# Allegro board Coral-Dev-Board-Mini-layout-Allegro.brd (continued)
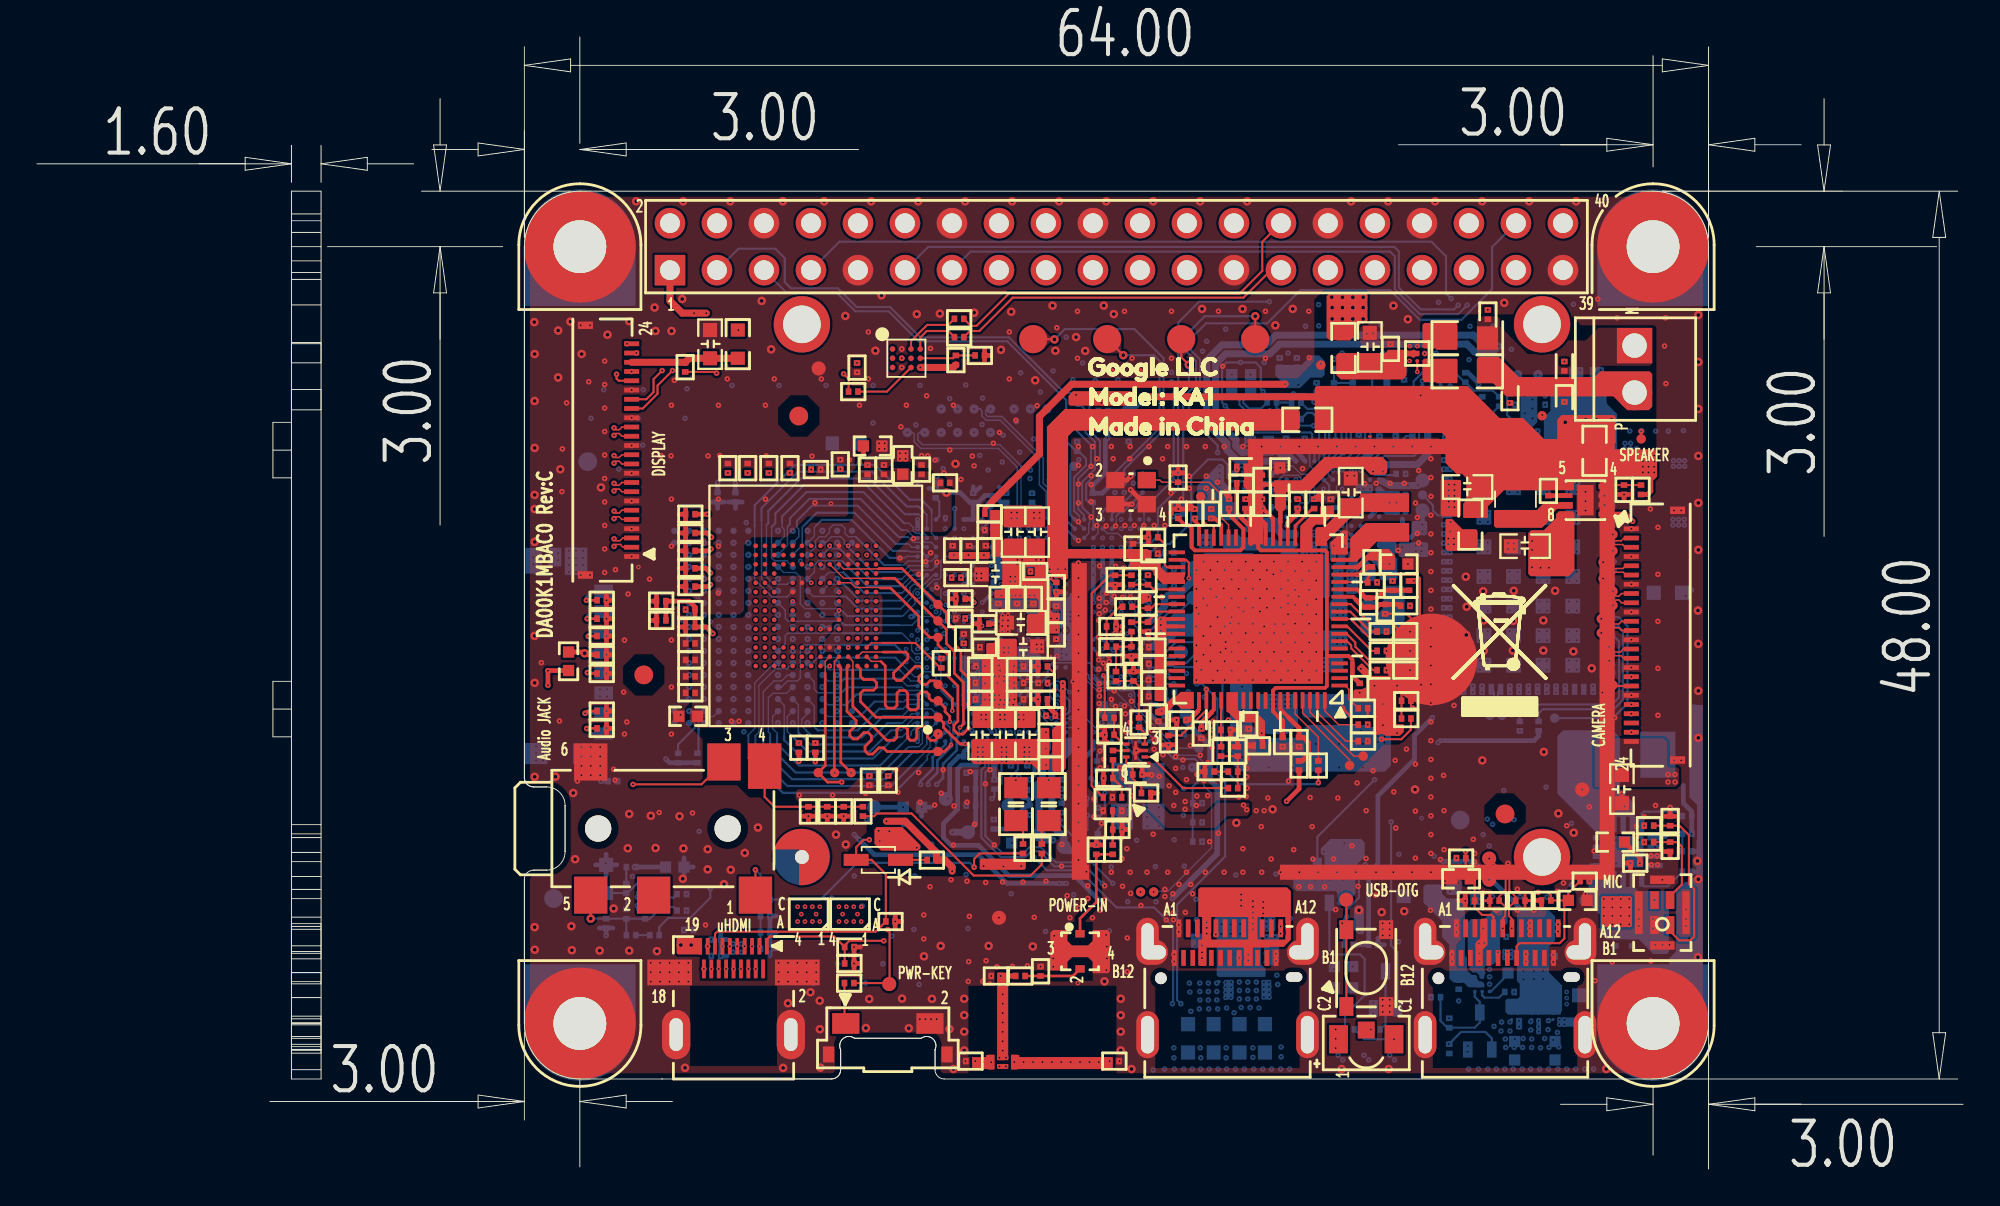
[diagram p0: board, top side]
## Routing (per net, layer and track width the routed paths; a pad name or vN(x,y) marks a point on that pad's centre or on a via; arc(x,y) is an arc through that point) (continued)
v2(65.32,27.96) v2(65.32,26.94) v2(65.4,33.9) v2(65.53,41.24) v2(65.68,36.22) v2(65.76,34.95) v2(65.71,32.38) v2(65.71,29.48) v2(65.71,28.47) v2(65.71,27.45) v2(65.71,26.44) v2(65.71,6.55) v2(65.71,6.04) v2(65.76,5.4) v2(65.99,37.94) v2(65.89,19.37) v2(66.09,31.87) v2(66.09,30.14) v2(66.09,28.98) v2(66.09,27.96) v2(66.09,26.94) v2(66.16,18.51) v2(66.24,5.4) v2(66.32,29.33) v2(66.32,19.37) v2(66.39,46.38) v2(66.39,43.84) v2(66.47,32.38) v2(66.47,28.47) v2(66.47,27.45) v2(66.47,26.44) v2(66.49,42.51) v2(66.52,20.06) v2(66.7,16.76) v2(66.73,5.4) v2(66.82,37.13) v2(66.87,33.27) v2(66.82,32.15) v2(66.85,28.98) v2(66.85,27.96) v2(66.85,26.94) v2(66.91,29.46) v2(66.96,11.64) v2(66.96,11.26) v2(67.18,35.15) v2(67.13,33.93) v2(67.23,28.47) v2(67.23,27.45) v2(67.23,26.44) v2(67.21,13.11) v2(67.21,12.73) v2(67.24,6.6) v2(67.24,6.06) v2(67.21,5.4) v2(67.36,29.46) v2(67.51,37.94) v2(67.69,34.92) v2(67.61,31.01) v2(67.61,30.58) v2(67.61,29.99) v2(67.61,28.98) v2(67.61,27.96) v2(67.61,26.94) v2(67.64,20.98) v2(67.74,41.27) v2(67.69,5.4) v2(67.84,43.58) v2(67.92,17.27) v2(68.02,33.19) v2(67.99,30.5) v2(67.99,29.48) v2(67.99,28.47) v2(67.99,27.45) v2(67.99,26.44) v2(68.19,30.96) v2(68.19,15.26) v2(68.37,29.99) v2(68.37,28.98) v2(68.37,27.96) v2(68.37,26.94) v2(68.45,42.51) v2(68.4,37.87) v2(68.65,36.22) v2(68.6,34.03) v2(68.65,30.5) v2(68.73,46.37) v2(68.76,43.86) v2(68.75,37.13) v2(68.75,29.48) v2(68.75,28.47) v2(68.75,27.45) v2(68.75,26.44) v2(68.8,20.09) v2(68.83,15.26) v2(68.91,18.51) v2(68.96,16.76) v2(69.13,29.99) v2(69.13,28.98) v2(69.13,27.96) v2(69.13,26.94) v2(69.41,34.11) v2(69.54,31.67) v2(69.54,29.61) v2(69.64,37.94) v2(69.67,35.17) v2(69.64,32.99) v2(69.64,30.65) v2(69.59,15.26) v2(69.97,41.27) v2(70.07,16.76) v2(70.38,28.77) v2(70.3,20.06) v2(70.4,29.92) v2(70.53,32.1) v2(70.56,30.65) v2(70.73,32.79) v2(70.89,37.13) v2(70.94,42.51) v2(71.07,17.47) v2(71.12,28.04) v2(71.24,36.19) v2(71.19,35.12) v2(71.24,29.08) v2(71.34,27.4) v2(71.34,20.87) v2(71.45,33.83) v2(71.4,31.24) v2(71.47,29.74) v2(71.4,15.29) v2(71.62,37.94) v2(71.73,31.85) v2(71.78,27.38) v2(71.83,19.37) v2(71.83,16.78) v2(72.03,28.27) v2(72.11,35.17) v2(72.26,30.37) v2(72.28,28.95) v2(72.28,26.13) v2(72.21,21.53) v2(72.49,41.27) v2(72.44,32.71) v2(72.77,26.28) v2(72.74,25.14) v2(72.74,24) v2(72.87,36.8) v2(72.84,33.4) v2(72.92,27.5) v2(73.02,43.61) v2(73.1,30.5) v2(73.38,26.97) v2(73.33,20.39) v2(73.4,33.88) v2(73.4,29.05) v2(73.4,28.01) v2(73.4,22.09) v2(73.43,18.43) v2(73.5,26.13) v2(73.66,30.14) v2(73.94,42.54) v2(74.01,22.7) v2(74.24,29.51) v2(74.21,28.54) v2(74.21,27.5) v2(74.5,36.01) v2(74.49,21.89) v2(74.49,19.35) v2(74.49,16.81) v2(74.67,37.76) v2(74.6,35.22) v2(74.6,34.36) v2(74.67,33.85) v2(74.8,26.18) v2(75.03,41.24) v2(75.18,46.78) v2(75.76,36.83) v2(75.87,32.71) v2(75.84,31.06) v2(75.87,29.21) v2(75.84,27.3) v2(75.85,16.73) v2(76.02,21.28) v2(76.04,19.38) v2(76.04,17.27) v2(76.09,15.57) v2(76.3,37) v2(76.3,36.7) v2(76.3,36.39) v2(76.3,36.09) v2(76.3,35.78) v2(76.53,40.81) v2(76.58,25.06) v2(76.6,37) v2(76.6,36.7) v2(76.6,36.39) v2(76.6,36.09) v2(76.6,35.78) v2(77.26,45.21) v2(77.26,36.85) v2(77.24,33.24) v2(77.37,5.4) v2(77.62,17.82) v2(77.77,40.81) v2(77.9,5.4) v2(78.41,33.24) v2(78.41,5.4) v2(78.56,36.85) v2(78.58,13.86) v2(78.58,11.31) v2(78.66,43.43) v2(78.69,12.12) v2(78.87,5.4) v2(79.07,25.4) v2(79.15,33.14) v2(79.19,40.81) v2(79.22,13.96) v2(79.33,5.4) v2(79.43,15.62) v2(79.62,12.56) v2(79.78,11.29) v2(79.78,5.4) v2(79.88,36.85) v2(79.91,33.09) v2(79.9,13.55) v2(80.27,5.4) v2(80.36,35.78) v2(80.34,34.79) v2(80.56,40.81) v2(80.72,5.4) v2(80.95,26.03) v2(81.02,42.08) v2(81.21,5.4) v2(81.58,29) v2(81.66,26.67) v2(81.69,5.4) v2(81.94,40.64) v2(81.99,27.4) v2(82.2,5.4) v2(82.5,15.46) v2(82.68,5.4) v2(82.77,28.57) v2(83.1,29.64) v2(83.16,5.4) v2(83.44,15.18) v2(83.64,39.52) v2(83.64,30.45) v2(83.64,5.4) v2(83.92,43.45) v2(83.89,19.58) v2(83.99,28.62) v2(84.15,17.19) v2(84.13,5.4) v2(84.25,31.24) v2(84.2,15.99) v2(84.35,47.04) v2(84.5,33.27) v2(84.6,25.75) v2(84.93,34.64) v2(85.05,28.95) v2(85.14,32.94) v2(85.26,24.4) v2(85.37,37.51) v2(85.39,46.02) v2(85.73,16.94) v2(85.8,19.6) v2(85.95,32.35) v2(86.05,33.9) v2(86.1,36.11) v2(86.16,34.61) v2(86.44,18.54) v2(86.41,18.03) v2(86.86,19.05) v2(86.82,18.13) v2(87.19,35.69) v2(87.23,16.94) v2(87.25,16.45) v2(87.47,19.65) v2(87.52,20.34) v2(87.56,16.94) v2(87.58,16.45) v2(87.6,34.69) v2(87.6,32.15) v2(87.6,29.61) v2(87.6,27.07) v2(87.6,24.53) v2(87.96,44.5) v2(88.01,46.02) v2(88.03,42.46) v3(27.26,27.38) v3(28.37,36.62) v3(28.39,38.93) v3(28.62,41.42) v3(29.82,42.57) v3(31.16,21.61) v3(31.21,33.22) v3(31.26,32.41) v3(32.45,14.71) v3(32.44,14.24) v3(32.53,34.03) v3(32.98,38.58) v3(32.93,37.13) v3(32.91,35.67) v3(33.63,19.27) v3(33.73,38.57) v3(34.44,42.64) v3(35.43,19.25) v3(36.27,38.55) v3(37.31,42.72) v3(39.85,42.72) v3(42.39,42.72) v3(42.69,10.05) v3(44.78,20.32) v3(44.93,45.26) v3(44.93,42.72) v3(45.21,12.19) v3(45.52,10.08) v3(45.74,23.06) v3(46.53,20.37) v3(46.49,11.43) v3(46.92,13.91) v3(47.23,12.32) v3(47.51,13.25) v3(47.65,21.43) v3(47.89,42.77) v3(47.93,13.74) v3(47.93,12.44) v3(48.13,38.56) v3(48.1,14.47) v3(48.29,44.37) v3(48.53,38.33) v3(48.76,34.87) v3(48.76,23.01) v3(48.87,20.32) v3(48.85,15.87) v3(49.02,37.64) v3(49.4,15.64) v3(49.55,46.43) v3(49.99,42.74) v3(49.94,33.4) v3(49.96,16.38) v3(50.17,5.83) v3(50.35,11.21) v3(50.33,10.14) v3(50.44,21.48) v3(50.39,13.66) v3(50.55,38.55) v3(50.64,38.02) v3(50.64,33.4) v3(51.16,16.38) v3(51.11,10.14) v3(51.23,35.89) v3(51.23,34.87) v3(51.27,15.49) v3(51.35,45.16) v3(51.29,11.26) v3(51.41,42.11) v3(51.46,33.42) v3(51.51,36.25) v3(51.57,10.44) v3(51.68,39.24) v3(51.66,23.52) v3(51.87,10.93) v3(52.07,40.46) v3(52.09,34.18) v3(52.28,36.25) v3(52.22,16.35) v3(52.55,45.26) v3(52.55,42.72) v3(52.5,39.9) v3(52.57,34.18) v3(52.57,33.4) v3(52.62,35.89) v3(52.71,10.96) v3(52.83,34.87) v3(52.9,40.48) v3(53.02,36.25) v3(53.06,22.3) v3(53.19,16.38) v3(53.29,15.51) v3(53.44,40.81) v3(53.53,10.98) v3(53.64,33.4) v3(53.77,36.25) v3(53.97,16.91) v3(53.89,13.61) v3(54.05,41.27) v3(54.17,35.89) v3(54.1,23.16) v3(54.2,34.87) v3(54.24,10.94) v3(54.66,37.64) v3(54.61,33.4) v3(54.76,24.84) v3(54.83,33.09) v3(54.99,17.93) v3(54.97,12.61) v3(54.92,12.02) v3(54.92,11.39) v3(54.92,10.93) v3(55.11,45.49) v3(55.16,32.94) v3(55.15,24.12) v3(55.24,36.9) v3(55.27,34.87) v3(55.29,34.21) v3(55.37,16.38) v3(55.39,17.55) v3(55.55,37.94) v3(55.57,35.89) v3(55.55,32.94) v3(55.67,14.78) v3(55.83,33.4) v3(55.83,13.58) v3(55.9,34.87) v3(55.93,34.21) v3(55.9,32.94) v3(55.98,24.91) v3(56.08,41.27) v3(56,26.36) v3(56,18.94) v3(56.23,46.38) v3(56.23,43.84) v3(56.31,14.12) v3(56.43,35.91) v3(56.46,32.46) v3(56.66,32.18) v3(56.79,15.31) v3(56.79,14.63) v3(56.97,37.99) v3(56.97,37.49) v3(56.97,37) v3(56.97,36.09) v3(56.89,32.46) v3(57.07,35.53) v3(57.04,13.58) v3(57.12,20.01) v3(57.12,19.05) v3(57.32,42.51) v3(57.38,29.66) v3(57.38,28.75) v3(57.41,30.86) v3(57.41,30.42) v3(57.41,30.02) v3(57.45,23.03) v3(57.45,13.99) v3(57.55,35.53) v3(57.58,35) v3(57.63,27.35) v3(57.78,33.29) v3(57.78,20.72) v3(57.7,15.31) v3(57.7,14.55) v3(57.78,12.66) v3(57.81,32.48) v3(57.84,28.77) v3(57.82,12.02) v3(57.82,11.39) v3(57.79,10.75) v3(58.03,35) v3(58.03,33.93) v3(58.31,41.3) v3(58.45,26.41) v3(58.5,5.83) v3(58.59,24.96) v3(58.77,46.38) v3(58.72,32.48) v3(58.88,25.98) v3(58.82,24.56) v3(58.9,34.95) v3(58.93,28.77) v3(58.9,17.32) v3(59.18,43.84) v3(59.15,23.16) v3(59.1,14.9) v3(59.25,33.93) v3(59.23,33.27) v3(59.31,28.77) v3(59.36,19.43) v3(59.56,31.41) v3(59.61,32.46) v3(60.04,32.13) v3(60.07,26.44) v3(60.17,25.04) v3(60.22,34.95) v3(60.24,21.31) v3(60.37,42.51) v3(60.32,18.11) v3(60.42,32.46) v3(60.66,26.41) v3(60.65,21.23) v3(60.75,24.35) v3(60.75,23.87) v3(60.88,33.27) v3(60.83,30.32) v3(60.94,5.4) v3(61.08,32.46) v3(61.04,28.77) v3(61.18,20.72) v3(61.29,37.94) v3(61.29,37.56) v3(61.29,36.55) v3(61.29,35.99) v3(61.29,35.48) v3(61.19,26.11) v3(61.31,46.38) v3(61.31,43.84) v3(61.31,43.2) v3(61.39,34.95) v3(61.39,31.67) v3(61.34,30.83) v3(61.39,29.18) v3(61.39,14.88) v3(61.46,33.93) v3(61.44,19.65) v3(61.44,6.55) v3(61.44,6.01) v3(61.47,5.4) v3(61.49,41.3) v3(61.5,28.8) v3(61.54,20.37) v3(61.84,36.22) v3(61.82,32.46) v3(61.87,30.04) v3(61.98,5.4) v3(62.05,33.27) v3(62.05,29.23) v3(62.05,23.41) v3(62.05,19.45) v3(62.06,13.87) v3(62.28,37.46) v3(62.28,36.8) v3(62.21,21.81) v3(62.33,22.9) v3(62.45,14.88) v3(62.43,5.4) v3(62.66,32.38) v3(62.66,31.36) v3(62.66,30.35) v3(62.66,27.45) v3(62.66,26.44) v3(62.68,20.16) v3(62.66,19.65) v3(62.69,21.33) v3(62.79,30.02) v3(62.87,6.55) v3(62.92,26.99) v3(62.89,6.01) v3(62.89,5.4) v3(63.04,31.87) v3(63.04,30.86) v3(63.19,37.46) v3(63.19,36.8) v3(63.25,30.47) v3(63.37,41.24) v3(63.37,33.93) v3(63.37,17.7) v3(63.35,5.4) v3(63.45,42.51) v3(63.42,32.38) v3(63.42,31.36) v3(63.42,27.45) v3(63.57,36.14) v3(63.55,26.41) v3(63.75,36.55) v3(63.73,30.93) v3(63.85,46.38) v3(63.8,37.13) v3(63.8,31.87) v3(63.8,26.94) v3(63.85,18.16) v3(63.85,15.54) v3(63.83,5.4) v3(63.95,28.98) v3(64.08,43.4) v3(64.03,38.04) v3(64.05,34.95) v3(64.18,32.38) v3(64.14,31.39) v3(64.18,27.45) v3(64.18,26.44) v3(64.11,20.14) v3(64.23,36.6) v3(64.24,28.49) v3(64.24,28.14) v3(64.26,6.55) v3(64.26,6.01) v3(64.29,5.4) v3(64.49,29.51) v3(64.56,31.87) v3(64.56,28.98) v3(64.56,27.96) v3(64.56,26.94) v3(64.69,33.27) v3(64.77,5.4) v3(64.94,32.38) v3(64.94,29.48) v3(64.94,28.47) v3(64.94,27.45) v3(64.94,26.44) v3(64.95,20.11) v3(65.17,17.32) v3(65.2,30.14) v3(65.25,5.4) v3(65.32,31.87) v3(65.32,28.98) v3(65.32,27.96) v3(65.32,26.94) v3(65.4,33.9) v3(65.53,41.24) v3(65.68,36.22) v3(65.76,34.95) v3(65.71,32.38) v3(65.71,29.48) v3(65.71,28.47) v3(65.71,27.45) v3(65.71,26.44) v3(65.71,6.55) v3(65.71,6.04) v3(65.76,5.4) v3(65.99,37.94) v3(65.89,19.37) v3(66.09,31.87) v3(66.09,30.14) v3(66.09,28.98) v3(66.09,27.96) v3(66.09,26.94) v3(66.16,18.51) v3(66.24,5.4) v3(66.32,29.33) v3(66.32,19.37) v3(66.39,46.38) v3(66.39,43.84) v3(66.47,32.38) v3(66.47,28.47) v3(66.47,27.45) v3(66.47,26.44) v3(66.49,42.51) v3(66.52,20.06) v3(66.7,16.76) v3(66.73,5.4) v3(66.82,37.13) v3(66.87,33.27) v3(66.82,32.15) v3(66.85,28.98) v3(66.85,27.96) v3(66.85,26.94) v3(66.91,29.46) v3(66.96,11.64) v3(66.96,11.26) v3(67.13,33.93) v3(67.23,28.47) v3(67.23,27.45) v3(67.23,26.44) v3(67.21,13.11) v3(67.21,12.73) v3(67.24,6.6) v3(67.24,6.06) v3(67.21,5.4) v3(67.36,29.46) v3(67.48,31.67) v3(67.51,37.94) v3(67.69,34.92) v3(67.61,31.01) v3(67.61,30.58) v3(67.61,29.99) v3(67.61,28.98) v3(67.61,27.96) v3(67.61,26.94) v3(67.64,20.98) v3(67.74,41.27) v3(67.69,5.4) v3(67.84,43.58) v3(67.92,17.27) v3(68.02,33.19) v3(68.07,32.25) v3(67.99,30.5) v3(67.99,29.48) v3(67.99,28.47) v3(67.99,27.45) v3(67.99,26.44) v3(68.19,30.96) v3(68.37,29.99) v3(68.37,28.98) v3(68.37,27.96) v3(68.37,26.94) v3(68.45,42.51) v3(68.4,37.87) v3(68.65,36.22) v3(68.6,34.03) v3(68.65,30.5) v3(68.73,46.37) v3(68.76,43.86) v3(68.75,37.13) v3(68.75,29.48) v3(68.75,28.47) v3(68.75,27.45) v3(68.75,26.44) v3(68.8,20.09) v3(68.91,18.51) v3(68.96,16.76) v3(69.13,29.99) v3(69.13,28.98) v3(69.13,27.96) v3(69.13,26.94) v3(69.54,31.67) v3(69.54,29.61) v3(69.64,37.94) v3(69.67,35.17) v3(69.64,32.99) v3(69.64,30.65) v3(69.97,41.27) v3(70.07,16.76) v3(70.38,28.77) v3(70.3,20.06) v3(70.4,29.92) v3(70.53,32.1) v3(70.56,30.65) v3(70.89,37.13) v3(70.94,42.51) v3(71.07,17.47) v3(71.12,28.04) v3(71.24,36.19) v3(71.19,35.12) v3(71.24,29.08) v3(71.34,20.87) v3(71.45,33.83) v3(71.4,31.24) v3(71.47,29.74) v3(71.62,37.94) v3(71.78,27.38) v3(71.83,19.37) v3(71.83,16.78) v3(72.03,28.27) v3(72.11,35.17) v3(72.26,30.37) v3(72.28,28.95) v3(72.21,21.53) v3(72.49,41.27) v3(72.44,32.71) v3(72.77,26.28) v3(72.87,36.8) v3(72.84,33.4) v3(72.92,27.5) v3(73.02,43.61) v3(73.38,26.97) v3(73.33,20.39) v3(73.4,33.88) v3(73.4,29.05) v3(73.4,28.01) v3(73.4,22.09) v3(73.43,18.43) v3(73.66,30.14) v3(73.94,42.54) v3(74.01,22.7) v3(74.24,29.51) v3(74.21,28.54) v3(74.21,27.5) v3(74.49,21.89) v3(74.49,19.35) v3(74.49,16.81) v3(75.03,41.24) v3(75.87,32.71) v3(75.84,31.06) v3(75.87,29.21) v3(75.84,27.3) v3(75.85,16.73) v3(76.3,37) v3(76.3,36.7) v3(76.3,36.39) v3(76.3,36.09) v3(76.3,35.78) v3(76.53,40.81) v3(76.6,37) v3(76.6,36.7) v3(76.6,36.39) v3(76.6,36.09) v3(76.6,35.78) v3(77.24,33.24) v3(77.37,5.4) v3(77.62,17.82) v3(77.77,40.81) v3(77.9,5.4) v3(78.41,33.24) v3(78.41,5.4) v3(78.87,5.4) v3(79.15,33.14) v3(79.19,40.81) v3(79.33,5.4) v3(79.78,5.4) v3(79.91,33.09) v3(80.27,5.4) v3(80.56,40.81) v3(80.72,5.4) v3(81.02,42.08) v3(81.21,5.4) v3(81.69,5.4) v3(81.94,40.64) v3(82.2,5.4) v3(82.5,15.46) v3(82.68,5.4) v3(82.77,28.57) v3(83.1,29.64) v3(83.16,5.4) v3(83.44,15.18) v3(83.64,39.52) v3(83.64,30.45) v3(83.64,5.4) v3(83.89,19.58) v3(83.99,28.62) v3(84.15,17.19) v3(84.13,5.4) v3(84.25,31.24) v3(84.2,15.99) v3(84.35,47.04) v3(84.5,33.27) v3(84.6,25.75) v3(84.93,34.64) v3(85.05,28.95) v3(85.14,32.94) v3(85.26,24.4) v3(85.37,37.51) v3(85.39,46.02) v3(85.73,16.94) v3(85.8,19.6) v3(85.95,32.35) v3(86.05,33.9) v3(86.1,36.11) v3(86.16,34.61) v3(86.44,18.54) v3(86.41,18.03) v3(86.86,19.05) v3(86.82,18.13) v3(87.19,35.69) v3(87.23,16.94) v3(87.25,16.45) v3(87.47,19.65) v3(87.56,16.94) v3(87.58,16.45) v3(87.6,34.69) v3(87.6,32.15) v3(87.6,29.61) v3(87.6,27.07) v3(87.6,24.53) v3(87.96,44.5) v3(88.01,46.02) v3(88.03,42.46) v4(27.26,27.38) v4(31.83,28.33) v4(32.45,14.71) v4(32.44,14.24) v4(33.02,28.24) v4(48.29,44.37) v4(48.43,35.76) v4(48.81,36.04) v4(49.16,27.19) v4(49.68,34.74) v4(50.16,34.49) v4(50.17,5.83) v4(50.35,37.56) v4(50.34,35.99) v4(50.35,11.21) v4(50.33,10.14) v4(50.75,35.71) v4(51.11,10.14) v4(51.29,11.26) v4(51.51,36.25) v4(51.87,10.93) v4(52.28,36.25) v4(52.71,10.96) v4(53.02,36.25) v4(53.27,34.38) v4(53.27,33.87) v4(53.53,10.98) v4(53.77,36.25) v4(53.77,34.38) v4(54.28,34.38) v4(54.28,33.87) v4(54.24,10.94) v4(54.79,34.38) v4(54.97,12.61) v4(54.92,12.02) v4(54.92,11.39) v4(54.92,10.93) v4(56.97,37.99) v4(56.97,37.49) v4(56.97,37) v4(56.97,36.09) v4(57.78,12.66) v4(57.82,12.02) v4(57.82,11.39) v4(57.79,10.75) v4(58.09,34.64) v4(58.5,5.83) v4(59.54,23.08) v4(60.09,23.95) v4(60.45,23.19) v4(60.94,5.4) v4(61.11,23.52) v4(61.29,37.56) v4(61.29,35.99) v4(61.29,35.48) v4(61.44,6.55) v4(61.44,6.01) v4(61.47,5.4) v4(61.98,5.4) v4(62.28,34.59) v4(62.43,24.66) v4(62.43,5.4) v4(62.66,23.72) v4(62.73,35.76) v4(62.76,33.7) v4(62.87,6.55) v4(62.89,6.01) v4(62.89,5.4) v4(63.01,24.66) v4(63.35,5.4) v4(63.45,23.74) v4(63.5,24.66) v4(63.85,35.76) v4(63.83,5.4) v4(63.93,34.46) v4(63.93,33.65) v4(64.03,23.74) v4(64.26,6.55) v4(64.26,6.01) v4(64.29,5.4) v4(64.49,35) v4(64.61,23.74) v4(64.77,5.4) v4(64.94,34.49) v4(64.94,28.11) v4(64.89,27.76) v4(64.92,27.07) v4(64.94,26.74) v4(64.92,25.98) v4(64.92,25.37) v4(64.92,24.79) v4(65.15,23.74) v4(65.25,5.4) v4(65.4,35.48) v4(65.55,33.42) v4(65.5,30.91) v4(65.53,29.99) v4(65.71,24.05) v4(65.71,6.55) v4(65.71,6.04) v4(65.76,5.4) v4(65.81,28.85) v4(65.81,28.14) v4(65.81,27.1) v4(65.81,26.08) v4(65.81,25.4) v4(65.81,24.61) v4(66.26,34.72) v4(66.24,5.4) v4(66.52,33.78) v4(66.52,32.89) v4(66.52,31.72) v4(66.52,31.01) v4(66.52,30.4) v4(66.6,29.56) v4(66.59,29.18) v4(66.59,28.14) v4(66.59,27.15) v4(66.59,26) v4(66.59,25.4) v4(66.59,24.89) v4(66.59,24.33) v4(66.59,23.77) v4(66.73,5.4) v4(67.24,6.6) v4(67.24,6.06) v4(67.21,5.4) v4(67.69,5.4) v4(69.31,34.18) v4(69.31,33.73) v4(69.74,34.69) v4(70.68,34.01) v4(70.99,33.27) v4(76.6,23.44) v4(77.14,37.69) v4(77.14,37.16) v4(77.14,36.62) v4(77.21,22.47) v4(77.37,5.4) v4(77.9,5.4) v4(78.41,5.4) v4(78.69,22.47) v4(78.87,5.4) v4(79.33,5.4) v4(79.47,23.03) v4(79.78,5.4) v4(80.27,5.4) v4(80.72,5.4) v4(81.21,5.4) v4(81.69,5.4) v4(82.2,5.4) v4(82.68,5.4) v4(83.16,5.4) v4(83.64,5.4) v4(83.71,20.98) v4(84.12,21.99) v4(84.13,5.4) v4(84.86,22.83) v4(85.05,28.95) v4(85.16,21) v4(85.57,27.78) v4(85.64,21.99) v5(27.26,27.38) v5(28.73,28.85) v5(29.21,27.2) v5(29.67,35.35) v5(29.69,39.54) v5(29.77,38.35) v5(29.72,36.82) v5(29.71,21.74) v5(29.94,31.34) v5(29.94,20.06) v5(30.37,41.68) v5(30.68,33.78) v5(30.74,32.18) v5(31.17,40.02) v5(31.54,36.75) v5(31.65,34.59) v5(31.64,33.07) v5(31.83,28.33) v5(32.08,41.62) v5(32.08,38.96) v5(32.45,14.71) v5(32.44,14.24) v5(32.79,47.21) v5(33.07,39.85) v5(33.02,28.24) v5(33.93,40.1) v5(34.44,41.68) v5(35.23,43.56) v5(35.79,41.6) v5(36.22,40.2) v5(37.51,41.55) v5(37.52,40.02) v5(38.81,40.2) v5(39.7,39.31) v5(39.7,18.44) v5(41.12,41.6) v5(41.5,38.88) v5(42.29,40.13) v5(42.64,18.44) v5(42.72,38.83) v5(43.53,41.5) v5(44.17,38.88) v5(44.22,14.65) v5(45.39,40.2) v5(45.46,10.21) v5(45.57,38.83) v5(46.28,41.6) v5(46.35,16.33) v5(47.75,38.88) v5(48.05,41.5) v5(48.29,44.37) v5(48.36,17.55) v5(48.43,35.76) v5(48.81,36.04) v5(48.97,15.06) v5(48.89,10.23) v5(49.16,27.19) v5(49.68,34.74) v5(50.16,34.49) v5(50.35,37.56) v5(50.34,35.99) v5(50.35,11.21) v5(50.33,10.14) v5(50.75,35.71) v5(51.11,10.14) v5(51.29,11.26) v5(51.51,36.25) v5(51.87,10.93) v5(52.28,36.25) v5(52.71,10.96) v5(53.02,36.25) v5(53.27,34.38) v5(53.27,33.87) v5(53.53,10.98) v5(53.77,36.25) v5(53.77,34.38) v5(54.28,34.38) v5(54.28,33.87) v5(54.24,10.94) v5(54.79,34.38) v5(54.97,12.61) v5(54.92,12.02) v5(54.92,11.39) v5(54.92,10.93) v5(56.97,37.99) v5(56.97,37.49) v5(56.97,37) v5(56.97,36.09) v5(57.78,12.66) v5(57.82,12.02) v5(57.82,11.39) v5(57.79,10.75) v5(58.09,34.64) v5(58.64,10.28) v5(59.54,23.08) v5(60.09,23.95) v5(60.45,23.19) v5(60.94,5.4) v5(61.11,23.52) v5(61.29,37.56) v5(61.29,35.99) v5(61.29,35.48) v5(61.44,6.55) v5(61.44,6.01) v5(61.47,5.4) v5(61.98,5.4) v5(62.28,34.59) v5(62.43,5.4) v5(62.66,23.72) v5(62.73,35.76) v5(62.76,33.7) v5(62.87,6.55) v5(62.89,6.01) v5(62.89,5.4) v5(63.35,5.4) v5(63.45,23.74) v5(63.85,35.76) v5(63.83,5.4) v5(63.93,34.46) v5(63.93,33.65) v5(64.03,23.74) v5(64.26,6.55) v5(64.26,6.01) v5(64.29,5.4) v5(64.49,35) v5(64.61,23.74) v5(64.77,5.4) v5(64.94,34.49) v5(65.25,5.4) v5(65.4,35.48) v5(65.55,33.42) v5(65.53,29.99) v5(65.71,6.55) v5(65.71,6.04) v5(65.76,5.4) v5(66.26,34.72) v5(66.24,5.4) v5(66.52,33.78) v5(66.52,32.89) v5(66.73,5.4) v5(67.24,6.6) v5(67.24,6.06) v5(67.21,5.4) v5(67.69,5.4) v5(69.31,34.18) v5(69.31,33.73) v5(69.67,8.35) v5(69.74,34.69) v5(70.68,34.01) v5(70.99,33.27) v5(74.06,8.38) v5(76.45,24.56) v5(76.42,22.42) v5(76.6,23.44) v5(76.6,19.1) v5(77.14,37.69) v5(77.14,37.16) v5(77.14,36.62) v5(77.21,22.47) v5(77.37,5.4) v5(77.9,5.4) v5(78.41,5.4) v5(78.69,22.47) v5(78.87,5.4) v5(79.33,5.4) v5(79.47,25.71) v5(79.47,23.03) v5(79.6,22.42) v5(79.78,5.4) v5(80.27,5.4) v5(80.72,5.4) v5(80.89,23.77) v5(81.21,5.4) v5(81.69,5.4) v5(82.2,5.4) v5(82.68,5.4) v5(83.16,5.4) v5(83.23,21) v5(83.64,5.4) v5(83.71,20.98) v5(84.12,21.99) v5(84.13,5.4) v5(84.86,22.83) v5(85.16,21) v5(85.54,22.83) v5(85.64,21.99) v5(85.62,21.03) v5(87.14,11.81) v5(89.02,13.69) v6(28.32,25.29) v6(28.3,23.21) v6(29.41,21.13) v6(29.67,35.35) v6(29.69,39.54) v6(29.77,38.35) v6(29.72,36.82) v6(30.2,29.86) v6(30.23,28.29) v6(30.68,33.78) v6(30.74,32.18) v6(31.17,40.02) v6(31.17,26.74) v6(31.44,19.27) v6(31.52,31.13) v6(31.65,34.59) v6(31.65,29.89) v6(31.83,28.33) v6(32.08,41.62) v6(32.26,25.62) v6(32.46,34.18) v6(32.45,14.71) v6(32.44,14.24) v6(32.74,19.26) v6(32.87,29.92) v6(32.84,26.87) v6(32.92,31.69) v6(33.07,39.85) v6(33.02,28.24) v6(33.12,36.14) v6(33.2,37.69) v6(33.43,24.48) v6(33.53,25.8) v6(34.22,19.22) v6(34.44,24.63) v6(34.55,34.77) v6(34.55,33.24) v6(34.55,31.72) v6(34.55,29.81) v6(34.55,27.6) v6(34.55,25.65) v6(34.7,23.64) v6(35.13,37.1) v6(35.56,35.71) v6(35.79,41.6) v6(35.84,23.67) v6(36.44,19.27) v6(36.53,38.48) v6(37.29,35.73) v6(37.52,40.02) v6(38.51,38.5) v6(39.04,43.05) v6(39.14,35.73) v6(39.68,37.1) v6(39.7,39.31) v6(40.36,38.48) v6(40.56,19.88) v6(40.67,35.71) v6(40.86,35.07) v6(41.02,26.05) v6(41.12,41.6) v6(41.53,37.1) v6(42.34,35.76) v6(42.62,37.99) v6(42.59,19.88) v6(42.72,38.83) v6(42.88,27.76) v6(43.1,43.1) v6(43.13,35.07) v6(43.11,23.67) v6(43.38,24.43) v6(43.46,15.41) v6(43.69,37.08) v6(43.94,35.15) v6(43.92,27.96) v6(44.38,23.67) v6(44.45,24.43) v6(44.65,33.85) v6(44.62,16.63) v6(44.83,37.92) v6(44.98,19.88) v6(45.39,35.86) v6(45.57,38.83) v6(45.65,33.78) v6(45.87,24.4) v6(45.82,23.67) 